# EAGLE board Mk4 Final Panel (EAGLE 9.0.1), part 17 of 18
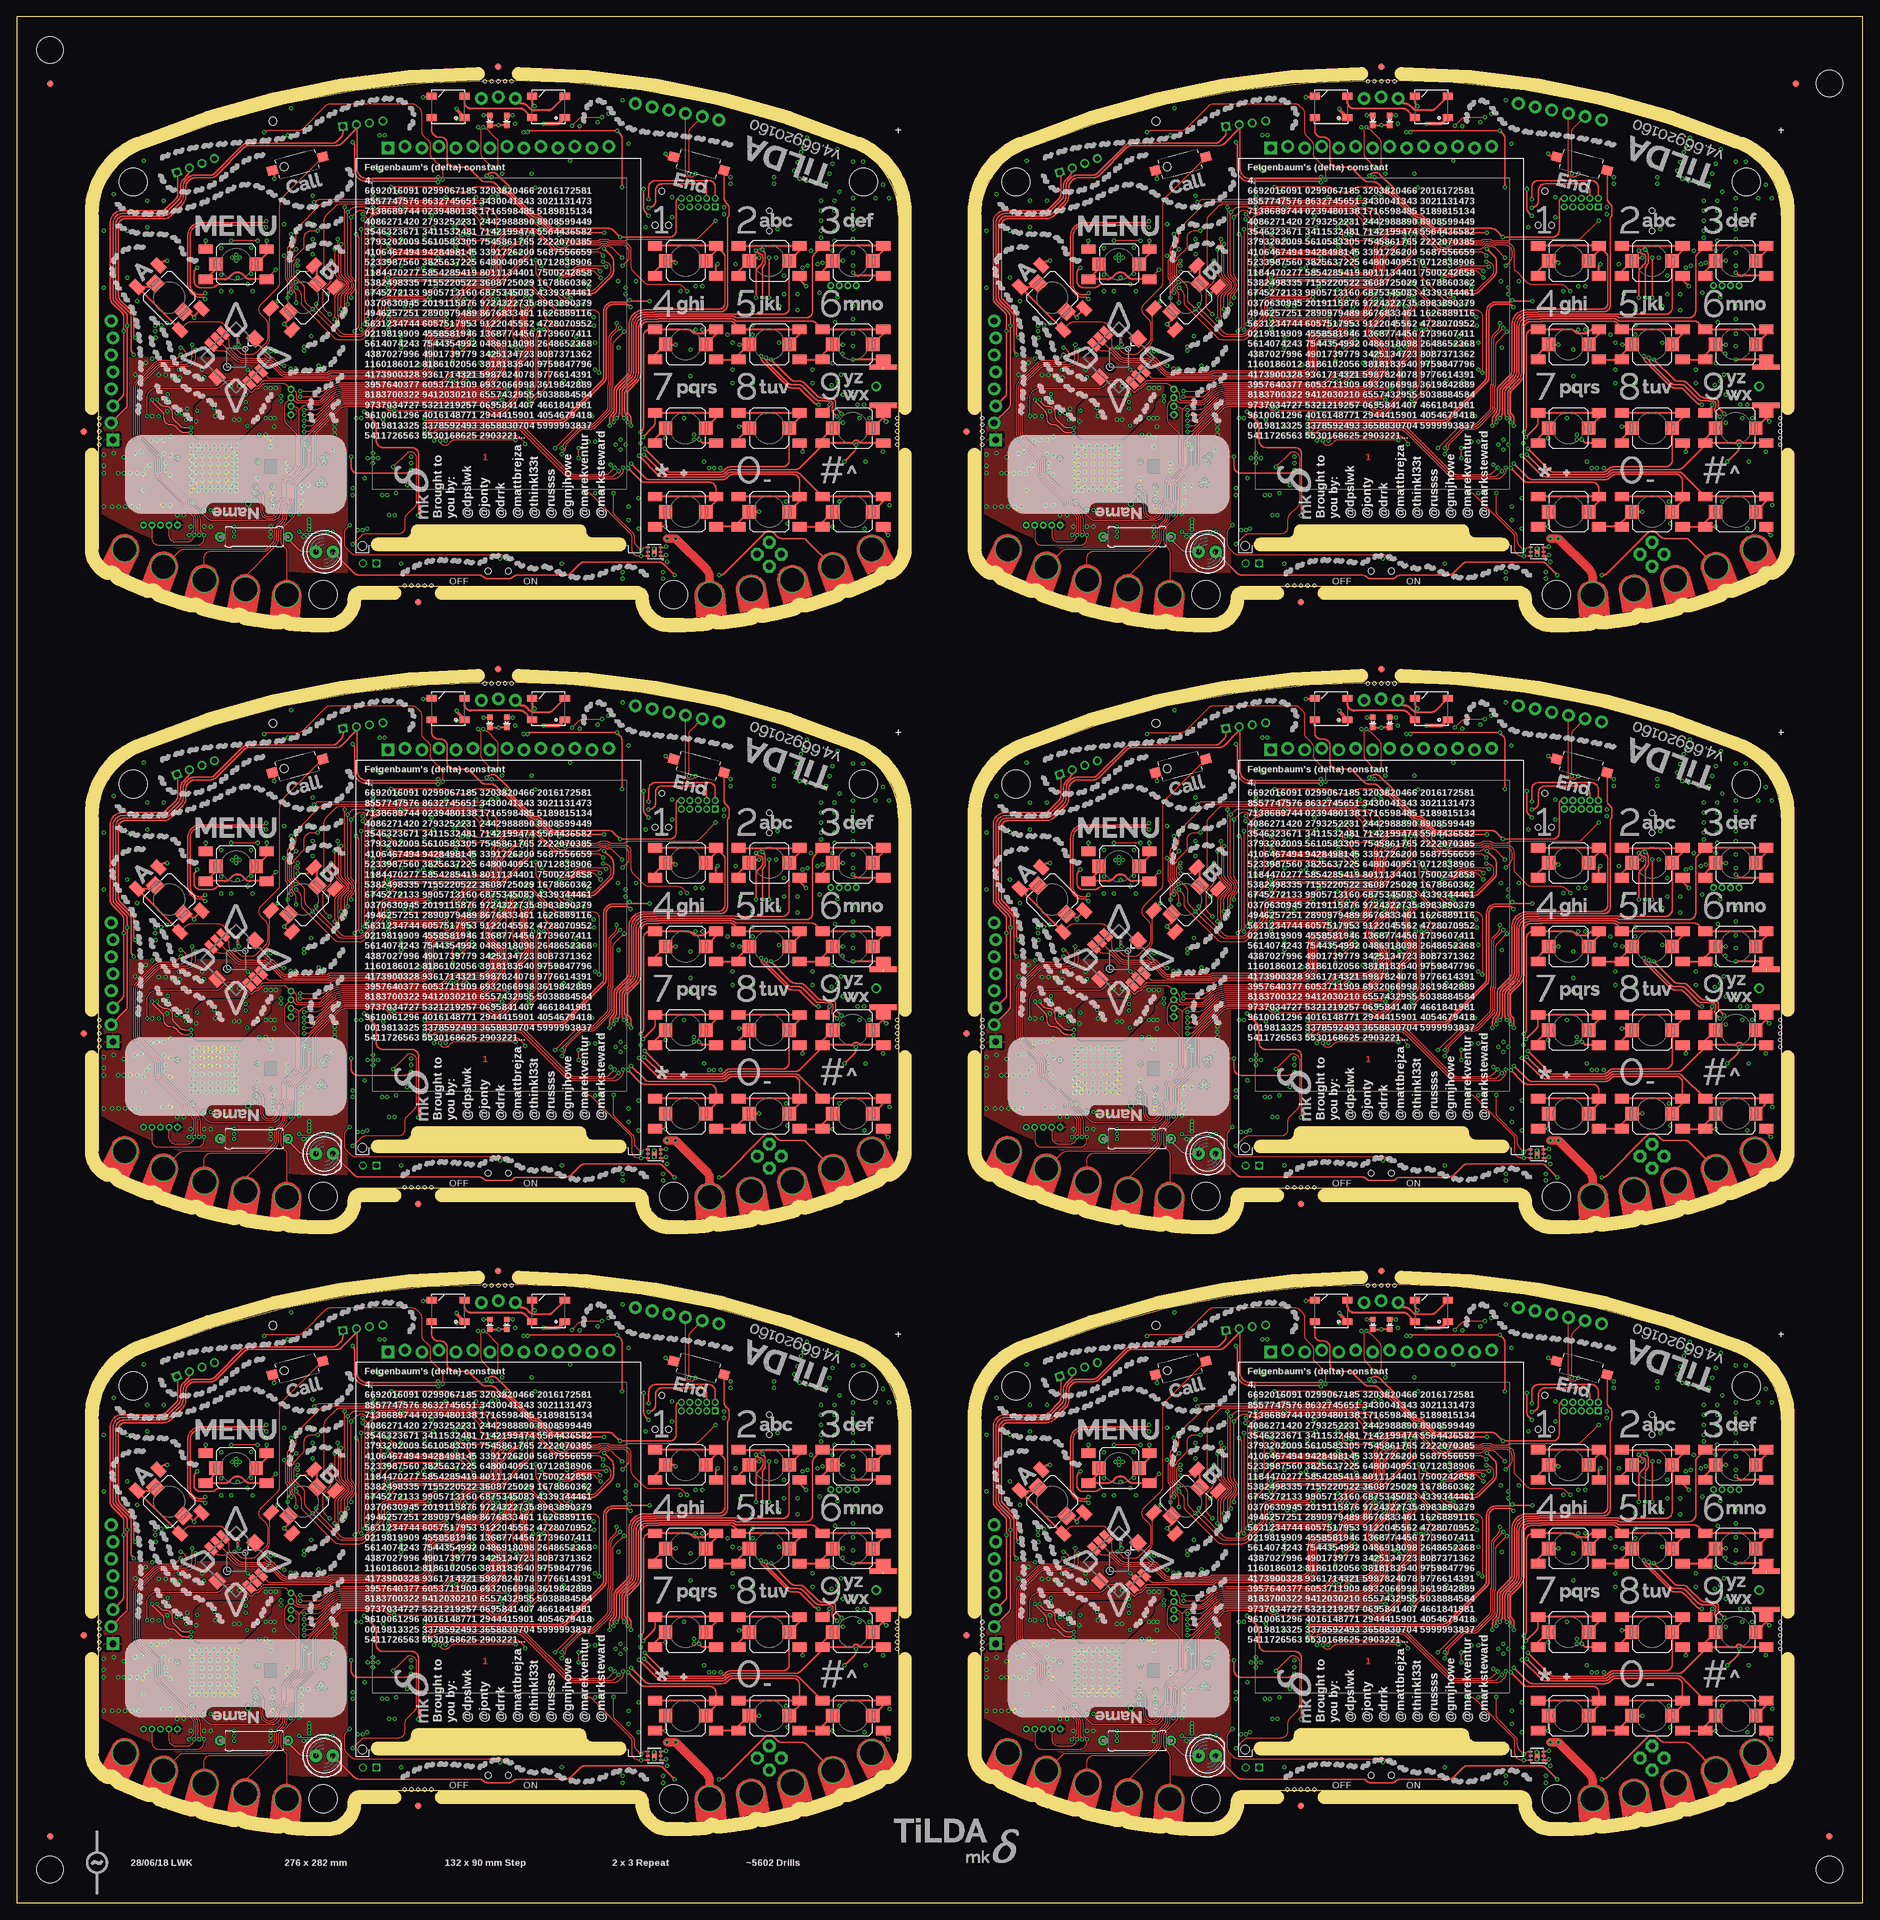
[diagram p0: board, top side]
## Tracks (layer width: path | path; a pad name or v marks a point on that pad's centre or on a via) (continued)
USB_D_N5 (continued)
  Bottom 0.25: 219.75,265 220.26,264.49 arc45 220.96,264.2 221.64,264.2 arc45 222.34,264.49 222.95,265.1 223.15,265.1 | IC92.93 209,254.2 arc-90 210.8,256 218.65,256 arc90 219.65,257 219.65,258.85 arc-90 221.5,260.7 223.5,260.7 arc90 224.8,262 224.8,263.75 arc90 223.4,265.15 223.2,265.15 | U16.D- 213.55,266.25 213.6,266.2 213.6,265.53 arc45 213.89,264.82 214.12,264.59 arc45 214.83,264.3 217.07,264.3 arc45 217.78,264.59 217.99,264.81 arc-45 218.7,265.1 219,265.1 219.1,265 IC95.1 | 223.2,265.15 223.15,265.1 | 223.2,265.15 arc90 223.15,265.1
USB_D_P
  Bottom 0.2: IC7.2 89.35,85.5 89.5,85.65
  Bottom 0.25: 89.5,85.65 91.1,85.65 91.2,85.55 91.4,85.55 arc-90 93.2,83.75 93.2,82 arc-90 91.5,80.3 89.5,80.3 arc90 88.05,78.85 88.05,77 arc-90 86.65,75.6 78.8,75.6 arc90 77.4,74.2 IC1.94 | U1.D+ 82.2,86.4 82,86.2 82,85.69 arc45 82.29,84.99 arc45 83,84.7 84.9,84.7 arc45 85.61,84.99 85.82,85.21 arc-45 86.53,85.5 IC7.2
USB_D_P1
  Bottom 0.2: IC23.2 221.35,85.5 221.5,85.65
  Bottom 0.25: 221.5,85.65 223.1,85.65 223.2,85.55 223.4,85.55 arc-90 225.2,83.75 225.2,82 arc-90 223.5,80.3 221.5,80.3 arc90 220.05,78.85 220.05,77 arc-90 218.65,75.6 210.8,75.6 arc90 209.4,74.2 IC20.94 | U2.D+ 214.2,86.4 214,86.2 214,85.69 arc45 214.29,84.99 arc45 215,84.7 216.9,84.7 arc45 217.61,84.99 217.82,85.21 arc-45 218.53,85.5 IC23.2
USB_D_P2
  Bottom 0.2: IC41.2 89.35,175.5 89.5,175.65
  Bottom 0.25: 89.5,175.65 91.1,175.65 91.2,175.55 91.4,175.55 arc-90 93.2,173.75 93.2,172 arc-90 91.5,170.3 89.5,170.3 arc90 88.05,168.85 88.05,167 arc-90 86.65,165.6 78.8,165.6 arc90 77.4,164.2 IC38.94 | U7.D+ 82.2,176.4 82,176.2 82,175.69 arc45 82.29,174.99 arc45 83,174.7 84.9,174.7 arc45 85.61,174.99 85.82,175.21 arc-45 86.53,175.5 IC41.2
USB_D_P3
  Bottom 0.2: IC59.2 221.35,175.5 221.5,175.65
  Bottom 0.25: 221.5,175.65 223.1,175.65 223.2,175.55 223.4,175.55 arc-90 225.2,173.75 225.2,172 arc-90 223.5,170.3 221.5,170.3 arc90 220.05,168.85 220.05,167 arc-90 218.65,165.6 210.8,165.6 arc90 209.4,164.2 IC56.94 | U10.D+ 214.2,176.4 214,176.2 214,175.69 arc45 214.29,174.99 arc45 215,174.7 216.9,174.7 arc45 217.61,174.99 217.82,175.21 arc-45 218.53,175.5 IC59.2
USB_D_P4
  Bottom 0.2: IC77.2 89.35,265.5 89.5,265.65
  Bottom 0.25: 89.5,265.65 91.1,265.65 91.2,265.55 91.4,265.55 arc-90 93.2,263.75 93.2,262 arc-90 91.5,260.3 89.5,260.3 arc90 88.05,258.85 88.05,257 arc-90 86.65,255.6 78.8,255.6 arc90 77.4,254.2 IC74.94 | U13.D+ 82.2,266.4 82,266.2 82,265.69 arc45 82.29,264.99 arc45 83,264.7 84.9,264.7 arc45 85.61,264.99 85.82,265.21 arc-45 86.53,265.5 IC77.2
USB_D_P5
  Bottom 0.2: IC95.2 221.35,265.5 221.5,265.65
  Bottom 0.25: 221.5,265.65 223.1,265.65 223.2,265.55 223.4,265.55 arc-90 225.2,263.75 225.2,262 arc-90 223.5,260.3 221.5,260.3 arc90 220.05,258.85 220.05,257 arc-90 218.65,255.6 210.8,255.6 arc90 209.4,254.2 IC92.94 | U16.D+ 214.2,266.4 214,266.2 214,265.69 arc45 214.29,264.99 arc45 215,264.7 216.9,264.7 arc45 217.61,264.99 217.82,265.21 arc-45 218.53,265.5 IC95.2
USB_ID
  Bottom 0.15: TP6.TP 90.46,87.54 arc-45 90.75,86.84 R8.2
USB_ID1
  Bottom 0.15: TP25.TP 222.46,87.54 arc-45 222.75,86.84 R92.2
USB_ID2
  Bottom 0.15: TP44.TP 90.46,177.54 arc-45 90.75,176.84 R170.2
USB_ID3
  Bottom 0.15: TP63.TP 222.46,177.54 arc-45 222.75,176.84 R248.2
USB_ID4
  Bottom 0.15: TP82.TP 90.46,267.54 arc-45 90.75,266.84 R326.2
USB_ID5
  Bottom 0.15: TP101.TP 222.46,267.54 arc-45 222.75,266.84 R404.2
USB_ID_R  (via drill 0.3)
  Top 0.15: v83,85.7 84.01,86.71 arc-45 84.71,87 v87.5,87
  Bottom 0.15: v87.5,87 87.65,87 88.65,86 IC7.4 89.42,86.5 R8.1 | U1.ID 82.85,85.85 v83,85.7
USB_ID_R1  (via drill 0.3)
  Top 0.15: v215,85.7 216.01,86.71 arc-45 216.71,87 v219.5,87
  Bottom 0.15: v219.5,87 219.65,87 220.65,86 IC23.4 221.43,86.5 R92.1 | U2.ID 214.85,85.85 v215,85.7
USB_ID_R2  (via drill 0.3)
  Top 0.15: v83,175.7 84.01,176.71 arc-45 84.71,177 v87.5,177
  Bottom 0.15: v87.5,177 87.65,177 88.65,176 IC41.4 89.42,176.5 R170.1 | U7.ID 82.85,175.85 v83,175.7
USB_ID_R3  (via drill 0.3)
  Top 0.15: v215,175.7 216.01,176.71 arc-45 216.71,177 v219.5,177
  Bottom 0.15: v219.5,177 219.65,177 220.65,176 IC59.4 221.43,176.5 R248.1 | U10.ID 214.85,175.85 v215,175.7
USB_ID_R4  (via drill 0.3)
  Top 0.15: v83,265.7 84.01,266.71 arc-45 84.71,267 v87.5,267
  Bottom 0.15: v87.5,267 87.65,267 88.65,266 IC77.4 89.42,266.5 R326.1 | U13.ID 82.85,265.85 v83,265.7
USB_ID_R5  (via drill 0.3)
  Top 0.15: v215,265.7 216.01,266.71 arc-45 216.71,267 v219.5,267
  Bottom 0.15: v219.5,267 219.65,267 220.65,266 IC95.4 221.43,266.5 R404.1 | U16.ID 214.85,265.85 v215,265.7
USB_SHIELD
  Bottom 0.3: U1.SHIELD@5 86.1,87.91 arc45 86.39,88.61 U1.SHIELD@2 | U1.SHIELD@2 83.84,89.72 U1.SHIELD@1 81.59,89.91 81.41,90.09 U1.SHIELD@0 80.96,90.28 U1.SHIELD@3 79.12,89.57 U1.SHIELD | R7.1 88.62,90.5 C20.2 87.04,90.38 U1.SHIELD@2
USB_SHIELD1
  Bottom 0.3: U2.SHIELD@5 218.1,87.91 arc45 218.39,88.61 U2.SHIELD@2 | U2.SHIELD@2 215.84,89.72 U2.SHIELD@1 213.59,89.91 213.41,90.09 U2.SHIELD@0 212.96,90.28 U2.SHIELD@3 211.12,89.57 U2.SHIELD | R91.1 220.62,90.5 C130.2 219.04,90.38 U2.SHIELD@2
USB_SHIELD2
  Bottom 0.3: U7.SHIELD@5 86.1,177.91 arc45 86.39,178.61 U7.SHIELD@2 | U7.SHIELD@2 83.84,179.72 U7.SHIELD@1 81.59,179.91 81.41,180.09 U7.SHIELD@0 80.96,180.28 U7.SHIELD@3 79.12,179.57 U7.SHIELD | R169.1 88.62,180.5 C238.2 87.04,180.38 U7.SHIELD@2
USB_SHIELD3
  Bottom 0.3: U10.SHIELD@5 218.1,177.91 arc45 218.39,178.61 U10.SHIELD@2 | U10.SHIELD@2 215.84,179.72 U10.SHIELD@1 213.59,179.91 213.41,180.09 U10.SHIELD@0 212.96,180.28 U10.SHIELD@3 211.12,179.57 U10.SHIELD | R247.1 220.62,180.5 C346.2 219.04,180.38 U10.SHIELD@2
USB_SHIELD4
  Bottom 0.3: U13.SHIELD@5 86.1,267.91 arc45 86.39,268.61 U13.SHIELD@2 | U13.SHIELD@2 83.84,269.72 U13.SHIELD@1 81.59,269.91 81.41,270.09 U13.SHIELD@0 80.96,270.28 U13.SHIELD@3 79.12,269.57 U13.SHIELD | R325.1 88.62,270.5 C454.2 87.04,270.38 U13.SHIELD@2
USB_SHIELD5
  Bottom 0.3: U16.SHIELD@5 218.1,267.91 arc45 218.39,268.61 U16.SHIELD@2 | U16.SHIELD@2 215.84,269.72 U16.SHIELD@1 213.59,269.91 213.41,270.09 U16.SHIELD@0 212.96,270.28 U16.SHIELD@3 211.12,269.57 U16.SHIELD | R403.1 220.62,270.5 C562.2 219.04,270.38 U16.SHIELD@2
V_UNREG  (via drill 0.3)
  Top 0.2: v60,27.45 v60,27.44 60.08,27.52 60.08,36.6 arc90 59.08,37.6 54.75,37.6 arc-90 53.75,38.6 53.75,40.74 arc45 53.46,41.44 v51.95,42.95
  Top 1.25: 103.62,17.38 103.62,18.05 arc45 103.03,19.47 v98.5,24 v97.25,24
  Top 1.5: PCB.VBATT 103.62,17.38
  3V3@2 1.25: v55.7,27.5 v56.5,27.5 56.55,27.45 v60,27.45 85,27.45 87.25,25.2 91.55,25.2 92.75,24 v97.25,24 v98.5,24
  Bottom 0.2: 53.5,33.45 IC8.15 53.5,33 | IC8.16 53,33 | R18.2 arc90 53.05,43.2 52.55,43.2 arc45 v51.95,42.95
  Bottom 0.4: TP18.TP v56.5,27.5
  pour Bottom (no thermals): 47.5,31 47.5,30 arc90 48,29.5 49,29.5 arc-90 49.5,29 49.5,27.5 53,27.5 53.35,27.15 arc45 53.71,27 56.5,27 arc90 57,27.5 arc90 56.5,28 54.12,28 arc-48 53.75,28.17 53.13,28.86 arc-42 53,29.19 53,29.29 arc-45 53.15,29.65 53.4,29.9 arc45 53.55,30.26 53.55,33.45 53.5,33.5 53,33.5 52.7,33.2 52.7,30.45 52.15,29.9 arc-45 51.79,29.75 50.21,29.75 arc-45 49.85,29.9 49.5,30.25 49.5,31
V_UNREG1  (via drill 0.3)
  Top 0.2: v192,27.45 v192,27.44 192.07,27.52 192.07,36.6 arc90 191.07,37.6 186.75,37.6 arc-90 185.75,38.6 185.75,40.74 arc45 185.46,41.44 v183.95,42.95
  Top 1.25: 235.62,17.38 235.62,18.05 arc45 235.03,19.47 v230.5,24 v229.25,24
  Top 1.5: PCB1.VBATT 235.62,17.38
  3V3@2 1.25: v187.7,27.5 v188.5,27.5 188.55,27.45 v192,27.45 217,27.45 219.25,25.2 223.55,25.2 224.75,24 v229.25,24 v230.5,24
  Bottom 0.2: 185.5,33.45 IC24.15 185.5,33 | IC24.16 185,33 | R100.2 arc90 185.05,43.2 184.55,43.2 arc45 v183.95,42.95
  Bottom 0.4: TP37.TP v188.5,27.5
  pour Bottom (no thermals): 179.5,31 179.5,30 arc90 180,29.5 181,29.5 arc-90 181.5,29 181.5,27.5 185,27.5 185.35,27.15 arc45 185.71,27 188.5,27 arc90 189,27.5 arc90 188.5,28 186.12,28 arc-48 185.75,28.17 185.13,28.86 arc-42 185,29.19 185,29.29 arc-45 185.15,29.65 185.4,29.9 arc45 185.55,30.26 185.55,33.45 185.5,33.5 185,33.5 184.7,33.2 184.7,30.45 184.15,29.9 arc-45 183.79,29.75 182.21,29.75 arc-45 181.85,29.9 181.5,30.25 181.5,31
V_UNREG2  (via drill 0.3)
  Top 0.2: v60,117.45 v60,117.44 60.08,117.52 60.08,126.6 arc90 59.08,127.6 54.75,127.6 arc-90 53.75,128.6 53.75,130.74 arc45 53.46,131.44 v51.95,132.95
  Top 1.25: 103.62,107.38 103.62,108.06 arc45 103.03,109.47 v98.5,114 v97.25,114
  Top 1.5: PCB2.VBATT 103.62,107.38
  3V3@2 1.25: v55.7,117.5 v56.5,117.5 56.55,117.45 v60,117.45 85,117.45 87.25,115.2 91.55,115.2 92.75,114 v97.25,114 v98.5,114
  Bottom 0.2: 53.5,123.45 IC42.15 53.5,123 | IC42.16 53,123 | R178.2 arc90 53.05,133.2 52.55,133.2 arc45 v51.95,132.95
  Bottom 0.4: TP56.TP v56.5,117.5
  pour Bottom (no thermals): 47.5,121 47.5,120 arc90 48,119.5 49,119.5 arc-90 49.5,119 49.5,117.5 53,117.5 53.35,117.15 arc45 53.71,117 56.5,117 arc90 57,117.5 arc90 56.5,118 54.12,118 arc-48 53.75,118.17 53.13,118.86 arc-42 53,119.19 53,119.29 arc-45 53.15,119.65 53.4,119.9 arc45 53.55,120.26 53.55,123.45 53.5,123.5 53,123.5 52.7,123.2 52.7,120.45 52.15,119.9 arc-45 51.79,119.75 50.21,119.75 arc-45 49.85,119.9 49.5,120.25 49.5,121
V_UNREG3  (via drill 0.3)
  Top 0.2: v192,117.45 v192,117.44 192.07,117.52 192.07,126.6 arc90 191.07,127.6 186.75,127.6 arc-90 185.75,128.6 185.75,130.74 arc45 185.46,131.44 v183.95,132.95
  Top 1.25: 235.62,107.38 235.62,108.06 arc45 235.03,109.47 v230.5,114 v229.25,114
  Top 1.5: PCB3.VBATT 235.62,107.38
  3V3@2 1.25: v187.7,117.5 v188.5,117.5 188.55,117.45 v192,117.45 217,117.45 219.25,115.2 223.55,115.2 224.75,114 v229.25,114 v230.5,114
  Bottom 0.2: 185.5,123.45 IC60.15 185.5,123 | IC60.16 185,123 | R256.2 arc90 185.05,133.2 184.55,133.2 arc45 v183.95,132.95
  Bottom 0.4: TP75.TP v188.5,117.5
  pour Bottom (no thermals): 179.5,121 179.5,120 arc90 180,119.5 181,119.5 arc-90 181.5,119 181.5,117.5 185,117.5 185.35,117.15 arc45 185.71,117 188.5,117 arc90 189,117.5 arc90 188.5,118 186.12,118 arc-48 185.75,118.17 185.13,118.86 arc-42 185,119.19 185,119.29 arc-45 185.15,119.65 185.4,119.9 arc45 185.55,120.26 185.55,123.45 185.5,123.5 185,123.5 184.7,123.2 184.7,120.45 184.15,119.9 arc-45 183.79,119.75 182.21,119.75 arc-45 181.85,119.9 181.5,120.25 181.5,121
V_UNREG4  (via drill 0.3)
  Top 0.2: v60,207.45 v60,207.44 60.08,207.51 60.08,216.6 arc90 59.08,217.6 54.75,217.6 arc-90 53.75,218.6 53.75,220.74 arc45 53.46,221.44 v51.95,222.95
  Top 1.25: 103.62,197.38 103.62,198.06 arc45 103.03,199.47 v98.5,204 v97.25,204
  Top 1.5: PCB4.VBATT 103.62,197.38
  3V3@2 1.25: v55.7,207.5 v56.5,207.5 56.55,207.45 v60,207.45 85,207.45 87.25,205.2 91.55,205.2 92.75,204 v97.25,204 v98.5,204
  Bottom 0.2: 53.5,213.45 IC78.15 53.5,213 | IC78.16 53,213 | R334.2 arc90 53.05,223.2 52.55,223.2 arc45 v51.95,222.95
  Bottom 0.4: TP94.TP v56.5,207.5
  pour Bottom (no thermals): 47.5,211 47.5,210 arc90 48,209.5 49,209.5 arc-90 49.5,209 49.5,207.5 53,207.5 53.35,207.15 arc45 53.71,207 56.5,207 arc90 57,207.5 arc90 56.5,208 54.12,208 arc-48 53.75,208.17 53.13,208.86 arc-42 53,209.19 53,209.29 arc-45 53.15,209.65 53.4,209.9 arc45 53.55,210.26 53.55,213.45 53.5,213.5 53,213.5 52.7,213.2 52.7,210.45 52.15,209.9 arc-45 51.79,209.75 50.21,209.75 arc-45 49.85,209.9 49.5,210.25 49.5,211
V_UNREG5  (via drill 0.3)
  Top 0.2: v192,207.45 v192,207.44 192.07,207.51 192.07,216.6 arc90 191.07,217.6 186.75,217.6 arc-90 185.75,218.6 185.75,220.74 arc45 185.46,221.44 v183.95,222.95
  Top 1.25: 235.62,197.38 235.62,198.06 arc45 235.03,199.47 v230.5,204 v229.25,204
  Top 1.5: PCB5.VBATT 235.62,197.38
  3V3@2 1.25: v187.7,207.5 v188.5,207.5 188.55,207.45 v192,207.45 217,207.45 219.25,205.2 223.55,205.2 224.75,204 v229.25,204 v230.5,204
  Bottom 0.2: 185.5,213.45 IC96.15 185.5,213 | IC96.16 185,213 | R412.2 arc90 185.05,223.2 184.55,223.2 arc45 v183.95,222.95
  Bottom 0.4: TP113.TP v188.5,207.5
  pour Bottom (no thermals): 179.5,211 179.5,210 arc90 180,209.5 181,209.5 arc-90 181.5,209 181.5,207.5 185,207.5 185.35,207.15 arc45 185.71,207 188.5,207 arc90 189,207.5 arc90 188.5,208 186.12,208 arc-48 185.75,208.17 185.13,208.86 arc-42 185,209.19 185,209.29 arc-45 185.15,209.65 185.4,209.9 arc45 185.55,210.26 185.55,213.45 185.5,213.5 185,213.5 184.7,213.2 184.7,210.45 184.15,209.9 arc-45 183.79,209.75 182.21,209.75 arc-45 181.85,209.9 181.5,210.25 181.5,211
VBAT  (via drill 0.3)
  Bottom 0.15: IC8.14 54,33.35 | 54.8,32 C35.1 | IC8.13 54.5,33.35
  Bottom 0.4: TP14.TP 55.64,29.36 arc-45 55.35,30.06 v55.35,30.5
  Bottom 1: J5.2 93.15,28.8 C34.1 | C34.1 91.6,28.65 v91.5,28.75 | C34.1 v93,30
  other vias: 54.6,30.5
  pour Bottom (no thermals): 54,33.55 54,30.2 54.2,30 55.5,30 55.75,30.3 55.75,30.75 55.25,31.25 55.25,32.9 54.6,33.55
  pour 3V3@2 (no thermals): 92.5,28 55.6,28 54.35,29.25 54.35,30.55 54.6,30.8 55.4,30.8 56.1,30 91,30 91.5,30.5 93,30.5 93.5,30 93.5,29
VBAT1  (via drill 0.3)
  Bottom 0.15: IC24.14 186,33.35 | 186.8,32 C147.1 | IC24.13 186.5,33.35
  Bottom 0.4: TP33.TP 187.64,29.36 arc-45 187.35,30.06 v187.35,30.5
  Bottom 1: J12.2 225.15,28.8 C146.1 | C146.1 223.6,28.65 v223.5,28.75 | C146.1 v225,30
  other vias: 186.6,30.5
  pour Bottom (no thermals): 186,33.55 186,30.2 186.2,30 187.5,30 187.75,30.3 187.75,30.75 187.25,31.25 187.25,32.9 186.6,33.55
  pour 3V3@2 (no thermals): 224.5,28 187.6,28 186.35,29.25 186.35,30.55 186.6,30.8 187.4,30.8 188.1,30 223,30 223.5,30.5 225,30.5 225.5,30 225.5,29
VBAT2  (via drill 0.3)
  Bottom 0.15: IC42.14 54,123.35 | 54.8,122 C255.1 | IC42.13 54.5,123.35
  Bottom 0.4: TP52.TP 55.64,119.36 arc-45 55.35,120.06 v55.35,120.5
  Bottom 1: J22.2 93.15,118.8 C254.1 | C254.1 91.6,118.65 v91.5,118.75 | C254.1 v93,120
  other vias: 54.6,120.5
  pour Bottom (no thermals): 54,123.55 54,120.2 54.2,120 55.5,120 55.75,120.3 55.75,120.75 55.25,121.25 55.25,122.9 54.6,123.55
  pour 3V3@2 (no thermals): 92.5,118 55.6,118 54.35,119.25 54.35,120.55 54.6,120.8 55.4,120.8 56.1,120 91,120 91.5,120.5 93,120.5 93.5,120 93.5,119
VBAT3  (via drill 0.3)
  Bottom 0.15: IC60.14 186,123.35 | 186.8,122 C363.1 | IC60.13 186.5,123.35
  Bottom 0.4: TP71.TP 187.64,119.36 arc-45 187.35,120.06 v187.35,120.5
  Bottom 1: J32.2 225.15,118.8 C362.1 | C362.1 223.6,118.65 v223.5,118.75 | C362.1 v225,120
  other vias: 186.6,120.5
  pour Bottom (no thermals): 186,123.55 186,120.2 186.2,120 187.5,120 187.75,120.3 187.75,120.75 187.25,121.25 187.25,122.9 186.6,123.55
  pour 3V3@2 (no thermals): 224.5,118 187.6,118 186.35,119.25 186.35,120.55 186.6,120.8 187.4,120.8 188.1,120 223,120 223.5,120.5 225,120.5 225.5,120 225.5,119
VBAT4  (via drill 0.3)
  Bottom 0.15: IC78.14 54,213.35 | 54.8,212 C471.1 | IC78.13 54.5,213.35
  Bottom 0.4: TP90.TP 55.64,209.36 arc-45 55.35,210.06 v55.35,210.5
  Bottom 1: J42.2 93.15,208.8 C470.1 | C470.1 91.6,208.65 v91.5,208.75 | C470.1 v93,210
  other vias: 54.6,210.5
  pour Bottom (no thermals): 54,213.55 54,210.2 54.2,210 55.5,210 55.75,210.3 55.75,210.75 55.25,211.25 55.25,212.9 54.6,213.55
  pour 3V3@2 (no thermals): 92.5,208 55.6,208 54.35,209.25 54.35,210.55 54.6,210.8 55.4,210.8 56.1,210 91,210 91.5,210.5 93,210.5 93.5,210 93.5,209
VBAT5  (via drill 0.3)
  Bottom 0.15: IC96.14 186,213.35 | 186.8,212 C579.1 | IC96.13 186.5,213.35
  Bottom 0.4: TP109.TP 187.64,209.36 arc-45 187.35,210.06 v187.35,210.5
  Bottom 1: J52.2 225.15,208.8 C578.1 | C578.1 223.6,208.65 v223.5,208.75 | C578.1 v225,210
  other vias: 186.6,210.5
  pour Bottom (no thermals): 186,213.55 186,210.2 186.2,210 187.5,210 187.75,210.3 187.75,210.75 187.25,211.25 187.25,212.9 186.6,213.55
  pour 3V3@2 (no thermals): 224.5,208 187.6,208 186.35,209.25 186.35,210.55 186.6,210.8 187.4,210.8 188.1,210 223,210 223.5,210.5 225,210.5 225.5,210 225.5,209
VBATT  (via drill 0.3)
  Top 0.15: v42.2,25 arc45 42.68,24.8 46.3,24.8 v46.5,25
  Top 0.5: LED2.1 81.34,86.29 arc-45 80.64,86 v78.75,86 | LED1.1 65.75,88.1 v65.75,88.25
  3V3@2 0.5: 71.25,88.25 76.5,88.25 v78.75,86
  3V3@2 1: JP2.2 72,89 71.25,88.25 v65.75,88.25 47.5,88.25 44.5,85.25 44.5,78 43,76.5 v43,52.65 v43,52.05 | v47.25,25 v46.5,25 46.5,30.41 47.2,31.11 47.2,32.55 44.62,35.12 44.62,36.62 45.5,37.5 v45.5,49.3 45.5,49.5 v45.15,49.85
  Bottom 0.25: IC9.1 42.96,25.35 arc45 42.26,25.06 v42.2,25
  Bottom 0.4: TP15.TP v52.4,25.5
  Bottom 0.5: C1.1 66.62,88.25 v65.75,88.25
  Bottom 1: v43,52.65 v43,52.05 43,52 v45.15,49.85 45.5,49.5 v45.5,49.3
  other vias: 51.75,25.25 51,25.25 105.25,34.5 102.75,35.5 104.25,34.5 103.5,34.5
  pour Bottom (no thermals): 51.35,26.4 52.8,26.4 52.8,25.05 arc-90 52.3,24.55 46.65,24.55 46.65,25.5 50.85,25.5 arc90 51.35,26
  pour Bottom (no thermals): 105.09,34.25 103.25,34.25 arc-90 102.25,35.25 102.25,36 arc-90 103.25,37 113,37 arc90 114,38 114,41.25 arc-90 115,42.25 115.25,42.25 115.5,42.5 115.5,45 117,45 117,42.8 arc-90 116,41.8 115.75,41.8 arc90 114.75,40.8 114.75,36 arc-90 113.75,35 106.66,35 arc45 105.96,34.71 105.79,34.54 arc-45
  pour 3V3@2 (no thermals): 104,37.5 106.5,37.5 107.5,36.5 107.5,35 107,34.5 97.5,34.5 95.5,32.5 54,32.5 52.8,31.4 52.8,25.6 52.3,25 51,25 50.75,25.25 50.75,32.5 52.25,34 94,34 96.5,36.5 103,36.5
  pour Bottom (no thermals): 44.2,25.9 44.2,25.8 44.75,25.8 45.1,25.45 45.1,25.05 arc90 45.6,24.55 46.8,24.55 46.8,25.5 46.15,25.5 45.8,25.85 45,25.85 44.95,25.9
VBATT1  (via drill 0.3)
  Top 0.15: v174.2,25 arc45 174.68,24.8 178.3,24.8 v178.5,25
  Top 0.5: LED8.1 213.34,86.29 arc-45 212.64,86 v210.75,86 | LED7.1 197.75,88.1 v197.75,88.25
  3V3@2 0.5: 203.25,88.25 208.5,88.25 v210.75,86
  3V3@2 1: JP11.2 204,89 203.25,88.25 v197.75,88.25 179.5,88.25 176.5,85.25 176.5,78 175,76.5 v175,52.65 v175,52.05 | v179.25,25 v178.5,25 178.5,30.41 179.2,31.11 179.2,32.55 176.62,35.12 176.62,36.62 177.5,37.5 v177.5,49.3 177.5,49.5 v177.15,49.85
  Bottom 0.25: IC33.1 174.96,25.35 arc45 174.26,25.06 v174.2,25
  Bottom 0.4: TP34.TP v184.4,25.5
  Bottom 0.5: C111.1 198.62,88.25 v197.75,88.25
  Bottom 1: v175,52.65 v175,52.05 175,52 v177.15,49.85 177.5,49.5 v177.5,49.3
  other vias: 183.75,25.25 183,25.25 237.25,34.5 234.75,35.5 236.25,34.5 235.5,34.5
  pour Bottom (no thermals): 183.35,26.4 184.8,26.4 184.8,25.05 arc-90 184.3,24.55 178.65,24.55 178.65,25.5 182.85,25.5 arc90 183.35,26
  pour Bottom (no thermals): 237.09,34.25 235.25,34.25 arc-90 234.25,35.25 234.25,36 arc-90 235.25,37 245,37 arc90 246,38 246,41.25 arc-90 247,42.25 247.25,42.25 247.5,42.5 247.5,45 249,45 249,42.8 arc-90 248,41.8 247.75,41.8 arc90 246.75,40.8 246.75,36 arc-90 245.75,35 238.66,35 arc45 237.96,34.71 237.79,34.54 arc-45
  pour 3V3@2 (no thermals): 236,37.5 238.5,37.5 239.5,36.5 239.5,35 239,34.5 229.5,34.5 227.5,32.5 186,32.5 184.8,31.4 184.8,25.6 184.3,25 183,25 182.75,25.25 182.75,32.5 184.25,34 226,34 228.5,36.5 235,36.5
  pour Bottom (no thermals): 176.2,25.9 176.2,25.8 176.75,25.8 177.1,25.45 177.1,25.05 arc90 177.6,24.55 178.8,24.55 178.8,25.5 178.15,25.5 177.8,25.85 177,25.85 176.95,25.9
VBATT2  (via drill 0.3)
  Top 0.15: v42.2,115 arc45 42.68,114.8 46.3,114.8 v46.5,115
  Top 0.5: LED14.1 81.34,176.29 arc-45 80.64,176 v78.75,176 | LED13.1 65.75,178.1 v65.75,178.25
  3V3@2 0.5: 71.25,178.25 76.5,178.25 v78.75,176
  3V3@2 1: JP20.2 72,179 71.25,178.25 v65.75,178.25 47.5,178.25 44.5,175.25 44.5,168 43,166.5 v43,142.65 v43,142.05 | v47.25,115 v46.5,115 46.5,120.41 47.2,121.11 47.2,122.55 44.62,125.12 44.62,126.62 45.5,127.5 v45.5,139.3 45.5,139.5 v45.15,139.85
  Bottom 0.25: IC51.1 42.96,115.35 arc45 42.26,115.06 v42.2,115
  Bottom 0.4: TP53.TP v52.4,115.5
  Bottom 0.5: C219.1 66.62,178.25 v65.75,178.25
  Bottom 1: v43,142.65 v43,142.05 43,142 v45.15,139.85 45.5,139.5 v45.5,139.3
  other vias: 51.75,115.25 51,115.25 105.25,124.5 102.75,125.5 104.25,124.5 103.5,124.5
  pour Bottom (no thermals): 51.35,116.4 52.8,116.4 52.8,115.05 arc-90 52.3,114.55 46.65,114.55 46.65,115.5 50.85,115.5 arc90 51.35,116
  pour Bottom (no thermals): 105.09,124.25 103.25,124.25 arc-90 102.25,125.25 102.25,126 arc-90 103.25,127 113,127 arc90 114,128 114,131.25 arc-90 115,132.25 115.25,132.25 115.5,132.5 115.5,135 117,135 117,132.8 arc-90 116,131.8 115.75,131.8 arc90 114.75,130.8 114.75,126 arc-90 113.75,125 106.66,125 arc45 105.96,124.71 105.79,124.54 arc-45
  pour 3V3@2 (no thermals): 104,127.5 106.5,127.5 107.5,126.5 107.5,125 107,124.5 97.5,124.5 95.5,122.5 54,122.5 52.8,121.4 52.8,115.6 52.3,115 51,115 50.75,115.25 50.75,122.5 52.25,124 94,124 96.5,126.5 103,126.5
  pour Bottom (no thermals): 44.2,115.9 44.2,115.8 44.75,115.8 45.1,115.45 45.1,115.05 arc90 45.6,114.55 46.8,114.55 46.8,115.5 46.15,115.5 45.8,115.85 45,115.85 44.95,115.9
VBATT3  (via drill 0.3)
  Top 0.15: v174.2,115 arc45 174.68,114.8 178.3,114.8 v178.5,115
  Top 0.5: LED20.1 213.34,176.29 arc-45 212.64,176 v210.75,176 | LED19.1 197.75,178.1 v197.75,178.25
  3V3@2 0.5: 203.25,178.25 208.5,178.25 v210.75,176
  3V3@2 1: JP29.2 204,179 203.25,178.25 v197.75,178.25 179.5,178.25 176.5,175.25 176.5,168 175,166.5 v175,142.65 v175,142.05 | v179.25,115 v178.5,115 178.5,120.41 179.2,121.11 179.2,122.55 176.62,125.12 176.62,126.62 177.5,127.5 v177.5,139.3 177.5,139.5 v177.15,139.85
  Bottom 0.25: IC69.1 174.96,115.35 arc45 174.26,115.06 v174.2,115
  Bottom 0.4: TP72.TP v184.4,115.5
  Bottom 0.5: C327.1 198.62,178.25 v197.75,178.25
  Bottom 1: v175,142.65 v175,142.05 175,142 v177.15,139.85 177.5,139.5 v177.5,139.3
  other vias: 183.75,115.25 183,115.25 237.25,124.5 234.75,125.5 236.25,124.5 235.5,124.5
  pour Bottom (no thermals): 183.35,116.4 184.8,116.4 184.8,115.05 arc-90 184.3,114.55 178.65,114.55 178.65,115.5 182.85,115.5 arc90 183.35,116
  pour Bottom (no thermals): 237.09,124.25 235.25,124.25 arc-90 234.25,125.25 234.25,126 arc-90 235.25,127 245,127 arc90 246,128 246,131.25 arc-90 247,132.25 247.25,132.25 247.5,132.5 247.5,135 249,135 249,132.8 arc-90 248,131.8 247.75,131.8 arc90 246.75,130.8 246.75,126 arc-90 245.75,125 238.66,125 arc45 237.96,124.71 237.79,124.54 arc-45
  pour 3V3@2 (no thermals): 236,127.5 238.5,127.5 239.5,126.5 239.5,125 239,124.5 229.5,124.5 227.5,122.5 186,122.5 184.8,121.4 184.8,115.6 184.3,115 183,115 182.75,115.25 182.75,122.5 184.25,124 226,124 228.5,126.5 235,126.5
  pour Bottom (no thermals): 176.2,115.9 176.2,115.8 176.75,115.8 177.1,115.45 177.1,115.05 arc90 177.6,114.55 178.8,114.55 178.8,115.5 178.15,115.5 177.8,115.85 177,115.85 176.95,115.9
VBATT4  (via drill 0.3)
  Top 0.15: v42.2,205 arc45 42.68,204.8 46.3,204.8 v46.5,205
  Top 0.5: LED26.1 81.34,266.29 arc-45 80.64,266 v78.75,266 | LED25.1 65.75,268.1 v65.75,268.25
  3V3@2 0.5: 71.25,268.25 76.5,268.25 v78.75,266
  3V3@2 1: JP38.2 72,269 71.25,268.25 v65.75,268.25 47.5,268.25 44.5,265.25 44.5,258 43,256.5 v43,232.65 v43,232.05 | v47.25,205 v46.5,205 46.5,210.41 47.2,211.11 47.2,212.55 44.62,215.12 44.62,216.62 45.5,217.5 v45.5,229.3 45.5,229.5 v45.15,229.85
  Bottom 0.25: IC87.1 42.96,205.35 arc45 42.26,205.06 v42.2,205
  Bottom 0.4: TP91.TP v52.4,205.5
  Bottom 0.5: C435.1 66.62,268.25 v65.75,268.25
  Bottom 1: v43,232.65 v43,232.05 43,232 v45.15,229.85 45.5,229.5 v45.5,229.3
  other vias: 51.75,205.25 51,205.25 105.25,214.5 102.75,215.5 104.25,214.5 103.5,214.5
  pour Bottom (no thermals): 51.35,206.4 52.8,206.4 52.8,205.05 arc-90 52.3,204.55 46.65,204.55 46.65,205.5 50.85,205.5 arc90 51.35,206
  pour Bottom (no thermals): 105.09,214.25 103.25,214.25 arc-90 102.25,215.25 102.25,216 arc-90 103.25,217 113,217 arc90 114,218 114,221.25 arc-90 115,222.25 115.25,222.25 115.5,222.5 115.5,225 117,225 117,222.8 arc-90 116,221.8 115.75,221.8 arc90 114.75,220.8 114.75,216 arc-90 113.75,215 106.66,215 arc45 105.96,214.71 105.79,214.54 arc-45
  pour 3V3@2 (no thermals): 104,217.5 106.5,217.5 107.5,216.5 107.5,215 107,214.5 97.5,214.5 95.5,212.5 54,212.5 52.8,211.4 52.8,205.6 52.3,205 51,205 50.75,205.25 50.75,212.5 52.25,214 94,214 96.5,216.5 103,216.5
  pour Bottom (no thermals): 44.2,205.9 44.2,205.8 44.75,205.8 45.1,205.45 45.1,205.05 arc90 45.6,204.55 46.8,204.55 46.8,205.5 46.15,205.5 45.8,205.85 45,205.85 44.95,205.9
VBATT5  (via drill 0.3)
  Top 0.15: v174.2,205 arc45 174.68,204.8 178.3,204.8 v178.5,205
  Top 0.5: LED32.1 213.34,266.29 arc-45 212.64,266 v210.75,266 | LED31.1 197.75,268.1 v197.75,268.25
  3V3@2 0.5: 203.25,268.25 208.5,268.25 v210.75,266
  3V3@2 1: JP47.2 204,269 203.25,268.25 v197.75,268.25 179.5,268.25 176.5,265.25 176.5,258 175,256.5 v175,232.65 v175,232.05 | v179.25,205 v178.5,205 178.5,210.41 179.2,211.11 179.2,212.55 176.62,215.12 176.62,216.62 177.5,217.5 v177.5,229.3 177.5,229.5 v177.15,229.85
  Bottom 0.25: IC105.1 174.96,205.35 arc45 174.26,205.06 v174.2,205
  Bottom 0.4: TP110.TP v184.4,205.5
  Bottom 0.5: C543.1 198.62,268.25 v197.75,268.25
  Bottom 1: v175,232.65 v175,232.05 175,232 v177.15,229.85 177.5,229.5 v177.5,229.3
  other vias: 183.75,205.25 183,205.25 237.25,214.5 234.75,215.5 236.25,214.5 235.5,214.5
  pour Bottom (no thermals): 183.35,206.4 184.8,206.4 184.8,205.05 arc-90 184.3,204.55 178.65,204.55 178.65,205.5 182.85,205.5 arc90 183.35,206